# KiCad board CawDrive_panel.kicad_pcb (continued)
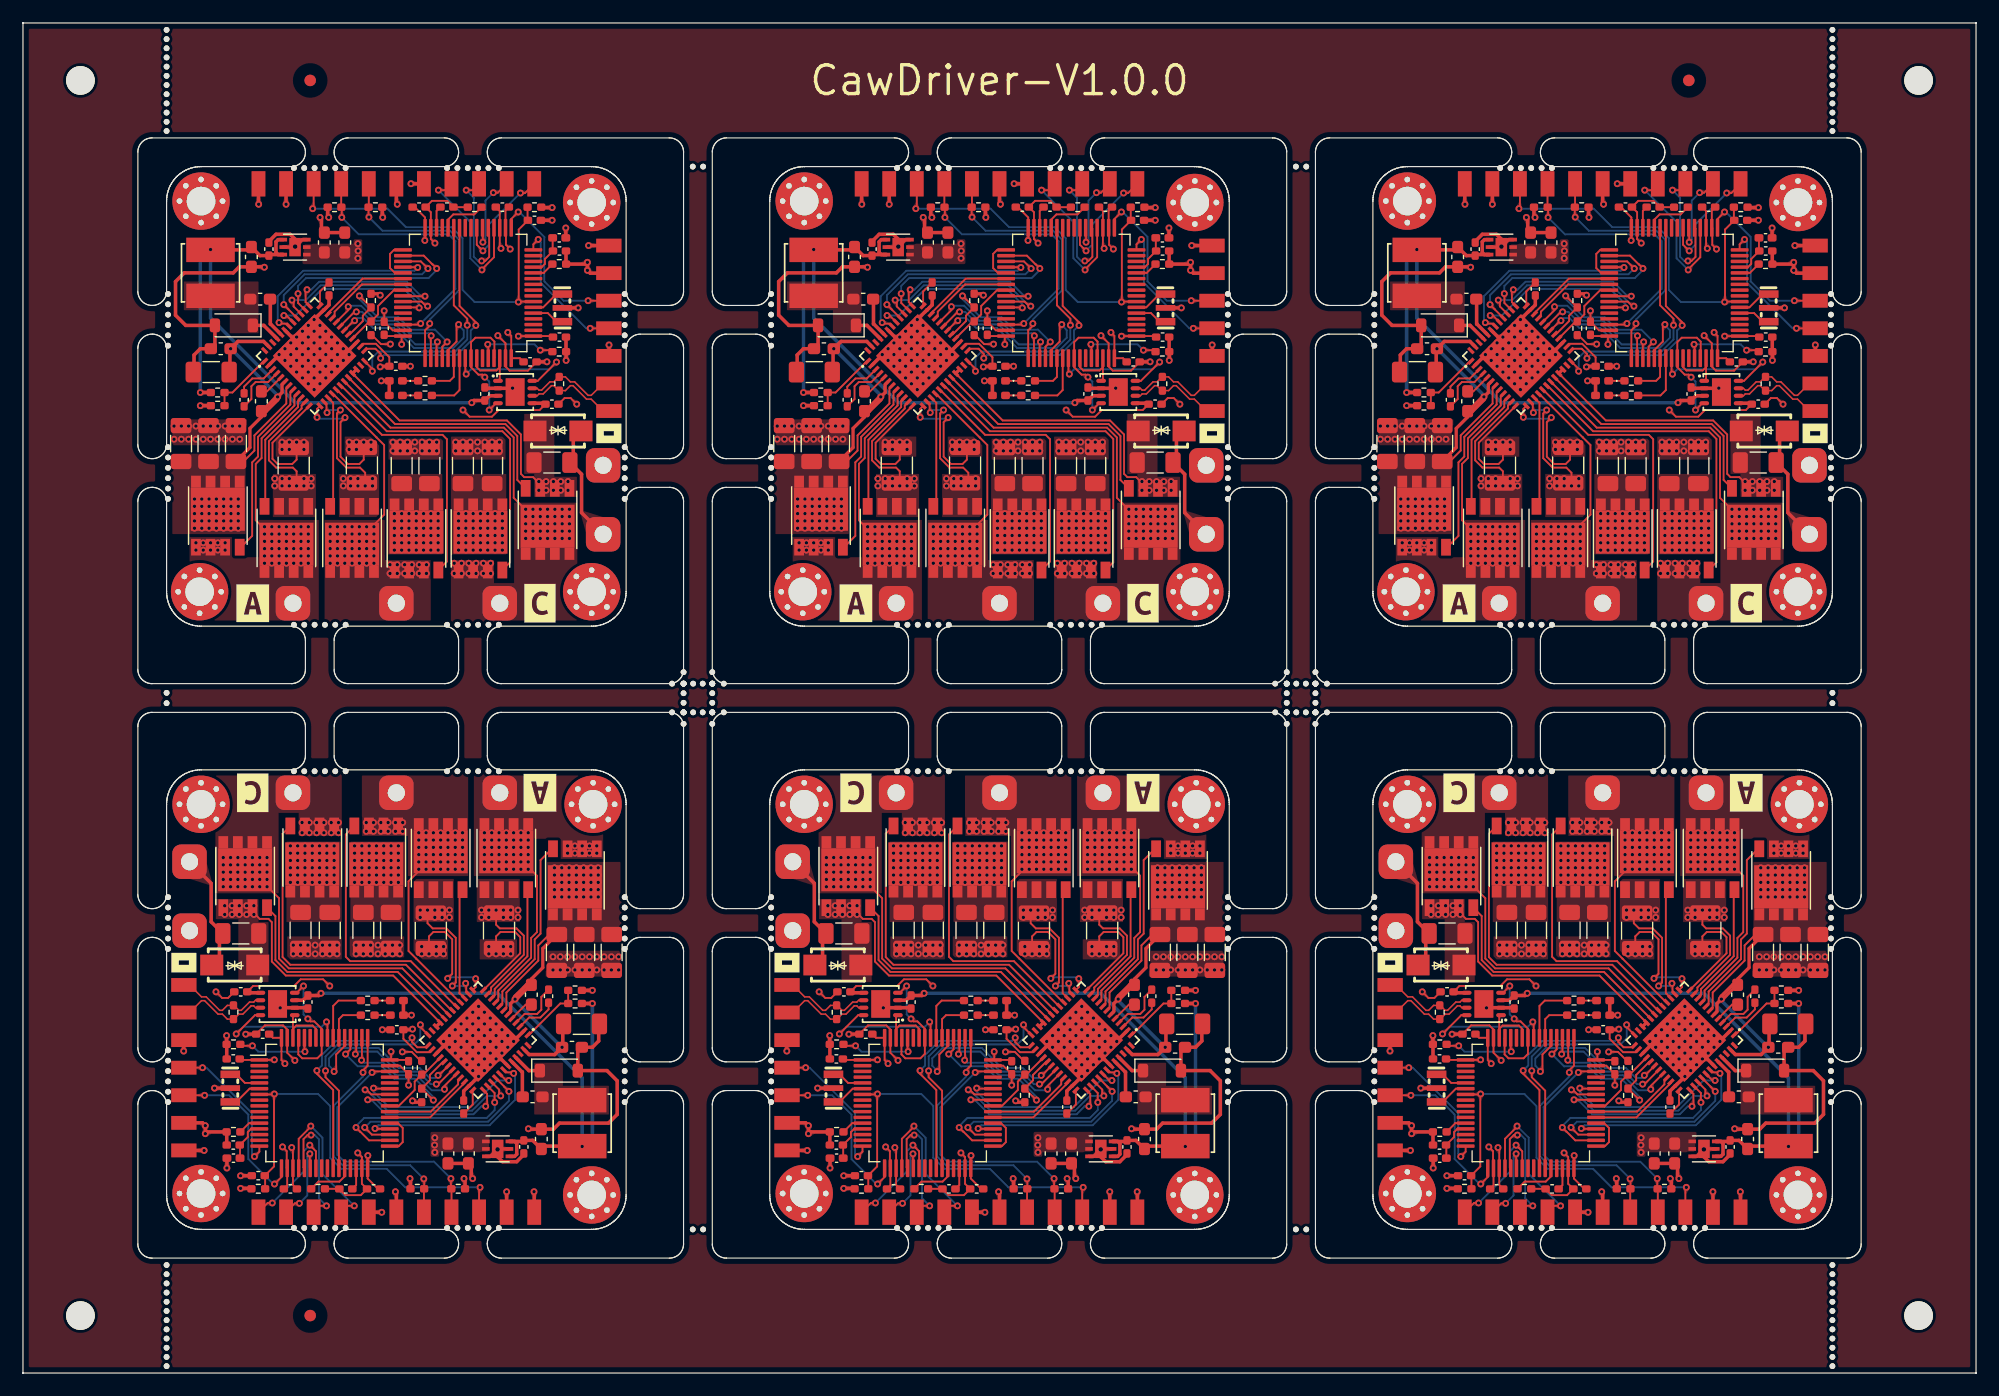
[diagram p0: board, top side]
## Placement (name value [footprint] x y rotation side) (continued)
J4#3  Conn_01x07_Pin  [SOIC-7]  51 90.93 270 top
J4#4  Conn_01x07_Pin  [SOIC-7]  66.5 26.57 90 top
J4#5  Conn_01x07_Pin  [SOIC-7]  156 90.93 270 top
J4#6  Conn_01x07_Pin  [SOIC-7]  119 26.57 90 top
kibuzzard-65071EE4  G***  [kibuzzard-65071EE4]  147.5 20.5 0 bottom
kibuzzard-65071EE4#2  G***  [kibuzzard-65071EE4]  42.5 20.5 0 bottom
kibuzzard-65071EE4#3  G***  [kibuzzard-65071EE4]  75 97 180 bottom
kibuzzard-65071EE4#4  G***  [kibuzzard-65071EE4]  22.5 97 180 bottom
kibuzzard-65071EE4#5  G***  [kibuzzard-65071EE4]  127.5 97 180 bottom
kibuzzard-65071EE4#6  G***  [kibuzzard-65071EE4]  95 20.5 0 bottom
kibuzzard-650712D1  G***  [kibuzzard-650712D1]  14.5 91.5 270 bottom
kibuzzard-650712D1#2  G***  [kibuzzard-650712D1]  119.5 91.5 270 bottom
kibuzzard-650712D1#3  G***  [kibuzzard-650712D1]  67 91.5 270 bottom
kibuzzard-650712D1#4  G***  [kibuzzard-650712D1]  103 26 90 bottom
kibuzzard-650712D1#5  G***  [kibuzzard-650712D1]  155.5 26 90 bottom
kibuzzard-650712D1#6  G***  [kibuzzard-650712D1]  50.5 26 90 bottom
kibuzzard-650713F8  G***  [kibuzzard-650713F8]  137.2 102 180 bottom
kibuzzard-650713F8#2  G***  [kibuzzard-650713F8]  85.3 15.5 0 bottom
kibuzzard-650713F8#3  G***  [kibuzzard-650713F8]  32.8 15.5 0 bottom
kibuzzard-650713F8#4  G***  [kibuzzard-650713F8]  137.8 15.5 0 bottom
kibuzzard-650713F8#5  G***  [kibuzzard-650713F8]  32.2 102 180 bottom
kibuzzard-650713F8#6  G***  [kibuzzard-650713F8]  84.7 102 180 bottom
kibuzzard-650722BD  G***  [kibuzzard-650722BD]  150 67 0 top
kibuzzard-650722BD#2  G***  [kibuzzard-650722BD]  97.5 67 0 top
kibuzzard-650722BD#3  G***  [kibuzzard-650722BD]  125 50.5 180 top
kibuzzard-650722BD#4  G***  [kibuzzard-650722BD]  72.5 50.5 180 top
kibuzzard-650722BD#5  G***  [kibuzzard-650722BD]  20 50.5 180 top
kibuzzard-650722BD#6  G***  [kibuzzard-650722BD]  45 67 0 top
kibuzzard-650722D4  G***  [kibuzzard-650722D4]  66.5 35.72 0 top
kibuzzard-650722D4#2  G***  [kibuzzard-650722D4]  103.5 81.78 180 top
kibuzzard-650722D4#3  G***  [kibuzzard-650722D4]  51 81.78 180 top
kibuzzard-650722D4#4  G***  [kibuzzard-650722D4]  119 35.72 0 top
kibuzzard-650722D4#5  G***  [kibuzzard-650722D4]  156 81.78 180 top
kibuzzard-650722D4#6  G***  [kibuzzard-650722D4]  14 35.72 0 top
kibuzzard-6507110A  G***  [kibuzzard-6507110A]  151.53 95.5 180 bottom
kibuzzard-6507110A#2  G***  [kibuzzard-6507110A]  99.03 95.5 180 bottom
kibuzzard-6507110A#3  G***  [kibuzzard-6507110A]  18.47 22 0 bottom
kibuzzard-6507110A#4  G***  [kibuzzard-6507110A]  123.47 22 0 bottom
kibuzzard-6507110A#5  G***  [kibuzzard-6507110A]  46.53 95.5 180 bottom
kibuzzard-6507110A#6  G***  [kibuzzard-6507110A]  70.97 22 0 bottom
kibuzzard-65071042  G***  [kibuzzard-65071042]  32.5 24 0 bottom
kibuzzard-65071042#2  G***  [kibuzzard-65071042]  137.5 24 0 bottom
kibuzzard-65071042#3  G***  [kibuzzard-65071042]  85 24 0 bottom
kibuzzard-65071042#4  G***  [kibuzzard-65071042]  85 93.5 180 bottom
kibuzzard-65071042#5  G***  [kibuzzard-65071042]  137.5 93.5 180 bottom
kibuzzard-65071042#6  G***  [kibuzzard-65071042]  32.5 93.5 180 bottom
kibuzzard-65072293  G***  [kibuzzard-65072293]  150 50.5 180 top
kibuzzard-65072293#2  G***  [kibuzzard-65072293]  72.5 67 0 top
kibuzzard-65072293#3  G***  [kibuzzard-65072293]  45 50.5 180 top
kibuzzard-65072293#4  G***  [kibuzzard-65072293]  125 67 0 top
kibuzzard-65072293#5  G***  [kibuzzard-65072293]  20 67 0 top
kibuzzard-65072293#6  G***  [kibuzzard-65072293]  97.5 50.5 180 top
KiKit_FID_B_1  -  [Fiducial]  25 112.5 0 bottom
KiKit_FID_B_2  -  [Fiducial]  145 112.5 0 bottom
KiKit_FID_B_3  -  [Fiducial]  25 5 0 bottom
KiKit_FID_T_1  -  [Fiducial]  25 112.5 0 top
KiKit_FID_T_2  -  [Fiducial]  145 112.5 0 top
KiKit_FID_T_3  -  [Fiducial]  25 5 0 top
KiKit_MB_1_1  -  [NPTH]  12.62 89.42 0 top
KiKit_MB_1_2  -  [NPTH]  12.62 90.32 0 top
KiKit_MB_1_3  -  [NPTH]  12.62 91.22 0 top
KiKit_MB_1_4  -  [NPTH]  12.62 92.12 0 top
KiKit_MB_1_5  -  [NPTH]  12.62 93.02 0 top
KiKit_MB_1_6  -  [NPTH]  12.62 93.92 0 top
KiKit_MB_2_1  -  [NPTH]  12.62 76.08 0 top
KiKit_MB_2_2  -  [NPTH]  12.62 76.98 0 top
KiKit_MB_2_3  -  [NPTH]  12.62 77.88 0 top
KiKit_MB_2_4  -  [NPTH]  12.62 78.78 0 top
KiKit_MB_2_5  -  [NPTH]  12.62 79.68 0 top
KiKit_MB_2_6  -  [NPTH]  12.62 80.58 0 top
KiKit_MB_3_1  -  [NPTH]  52.38 93.92 0 top
KiKit_MB_3_2  -  [NPTH]  52.38 93.02 0 top
KiKit_MB_3_3  -  [NPTH]  52.38 92.12 0 top
KiKit_MB_3_4  -  [NPTH]  52.38 91.22 0 top
KiKit_MB_3_5  -  [NPTH]  52.38 90.32 0 top
KiKit_MB_3_6  -  [NPTH]  52.38 89.42 0 top
KiKit_MB_4_1  -  [NPTH]  52.38 80.58 0 top
KiKit_MB_4_2  -  [NPTH]  52.38 79.68 0 top
KiKit_MB_4_3  -  [NPTH]  52.38 78.78 0 top
KiKit_MB_4_4  -  [NPTH]  52.38 77.88 0 top
KiKit_MB_4_5  -  [NPTH]  52.38 76.98 0 top
KiKit_MB_4_6  -  [NPTH]  52.38 76.08 0 top
KiKit_MB_5_1  -  [NPTH]  23.58 104.88 0 top
KiKit_MB_5_2  -  [NPTH]  24.48 104.88 0 top
KiKit_MB_5_3  -  [NPTH]  25.38 104.88 0 top
KiKit_MB_5_4  -  [NPTH]  26.28 104.88 0 top
KiKit_MB_5_5  -  [NPTH]  27.18 104.88 0 top
KiKit_MB_5_6  -  [NPTH]  28.08 104.88 0 top
KiKit_MB_6_1  -  [NPTH]  36.92 104.88 0 top
KiKit_MB_6_2  -  [NPTH]  37.82 104.88 0 top
KiKit_MB_6_3  -  [NPTH]  38.72 104.88 0 top
KiKit_MB_6_4  -  [NPTH]  39.62 104.88 0 top
KiKit_MB_6_5  -  [NPTH]  40.52 104.88 0 top
KiKit_MB_6_6  -  [NPTH]  41.42 104.88 0 top
KiKit_MB_7_1  -  [NPTH]  28.08 65.12 0 top
KiKit_MB_7_2  -  [NPTH]  27.18 65.12 0 top
KiKit_MB_7_3  -  [NPTH]  26.28 65.12 0 top
KiKit_MB_7_4  -  [NPTH]  25.38 65.12 0 top
KiKit_MB_7_5  -  [NPTH]  24.48 65.12 0 top
KiKit_MB_7_6  -  [NPTH]  23.58 65.12 0 top
KiKit_MB_8_1  -  [NPTH]  41.42 65.12 0 top
KiKit_MB_8_2  -  [NPTH]  40.52 65.12 0 top
KiKit_MB_8_3  -  [NPTH]  39.62 65.12 0 top
KiKit_MB_8_4  -  [NPTH]  38.72 65.12 0 top
KiKit_MB_8_5  -  [NPTH]  37.82 65.12 0 top
KiKit_MB_8_6  -  [NPTH]  36.92 65.12 0 top
KiKit_MB_9_1  -  [NPTH]  65.12 89.42 0 top
KiKit_MB_9_2  -  [NPTH]  65.12 90.32 0 top
KiKit_MB_9_3  -  [NPTH]  65.12 91.22 0 top
KiKit_MB_9_4  -  [NPTH]  65.12 92.12 0 top
KiKit_MB_9_5  -  [NPTH]  65.12 93.02 0 top
KiKit_MB_9_6  -  [NPTH]  65.12 93.92 0 top
KiKit_MB_10_1  -  [NPTH]  65.12 76.08 0 top
KiKit_MB_10_2  -  [NPTH]  65.12 76.98 0 top
KiKit_MB_10_3  -  [NPTH]  65.12 77.88 0 top
KiKit_MB_10_4  -  [NPTH]  65.12 78.78 0 top
KiKit_MB_10_5  -  [NPTH]  65.12 79.68 0 top
KiKit_MB_10_6  -  [NPTH]  65.12 80.58 0 top
KiKit_MB_11_1  -  [NPTH]  104.88 93.92 0 top
KiKit_MB_11_2  -  [NPTH]  104.88 93.02 0 top
KiKit_MB_11_3  -  [NPTH]  104.88 92.12 0 top
KiKit_MB_11_4  -  [NPTH]  104.88 91.22 0 top
KiKit_MB_11_5  -  [NPTH]  104.88 90.32 0 top
KiKit_MB_11_6  -  [NPTH]  104.88 89.42 0 top
KiKit_MB_12_1  -  [NPTH]  104.88 80.58 0 top
KiKit_MB_12_2  -  [NPTH]  104.88 79.68 0 top
KiKit_MB_12_3  -  [NPTH]  104.88 78.78 0 top
KiKit_MB_12_4  -  [NPTH]  104.88 77.88 0 top
KiKit_MB_12_5  -  [NPTH]  104.88 76.98 0 top
KiKit_MB_12_6  -  [NPTH]  104.88 76.08 0 top
KiKit_MB_13_1  -  [NPTH]  76.08 104.88 0 top
KiKit_MB_13_2  -  [NPTH]  76.98 104.88 0 top
KiKit_MB_13_3  -  [NPTH]  77.88 104.88 0 top
KiKit_MB_13_4  -  [NPTH]  78.78 104.88 0 top
KiKit_MB_13_5  -  [NPTH]  79.68 104.88 0 top
KiKit_MB_13_6  -  [NPTH]  80.58 104.88 0 top
KiKit_MB_14_1  -  [NPTH]  89.42 104.88 0 top
KiKit_MB_14_2  -  [NPTH]  90.32 104.88 0 top
KiKit_MB_14_3  -  [NPTH]  91.22 104.88 0 top
KiKit_MB_14_4  -  [NPTH]  92.12 104.88 0 top
KiKit_MB_14_5  -  [NPTH]  93.02 104.88 0 top
KiKit_MB_14_6  -  [NPTH]  93.92 104.88 0 top
KiKit_MB_15_1  -  [NPTH]  80.58 65.12 0 top
KiKit_MB_15_2  -  [NPTH]  79.68 65.12 0 top
KiKit_MB_15_3  -  [NPTH]  78.78 65.12 0 top
KiKit_MB_15_4  -  [NPTH]  77.88 65.12 0 top
KiKit_MB_15_5  -  [NPTH]  76.98 65.12 0 top
KiKit_MB_15_6  -  [NPTH]  76.08 65.12 0 top
KiKit_MB_16_1  -  [NPTH]  93.92 65.12 0 top
KiKit_MB_16_2  -  [NPTH]  93.02 65.12 0 top
KiKit_MB_16_3  -  [NPTH]  92.12 65.12 0 top
KiKit_MB_16_4  -  [NPTH]  91.22 65.12 0 top
KiKit_MB_16_5  -  [NPTH]  90.32 65.12 0 top
KiKit_MB_16_6  -  [NPTH]  89.42 65.12 0 top
KiKit_MB_17_1  -  [NPTH]  117.62 89.42 0 top
KiKit_MB_17_2  -  [NPTH]  117.62 90.32 0 top
KiKit_MB_17_3  -  [NPTH]  117.62 91.22 0 top
KiKit_MB_17_4  -  [NPTH]  117.62 92.12 0 top
KiKit_MB_17_5  -  [NPTH]  117.62 93.02 0 top
KiKit_MB_17_6  -  [NPTH]  117.62 93.92 0 top
KiKit_MB_18_1  -  [NPTH]  117.62 76.08 0 top
KiKit_MB_18_2  -  [NPTH]  117.62 76.98 0 top
KiKit_MB_18_3  -  [NPTH]  117.62 77.88 0 top
KiKit_MB_18_4  -  [NPTH]  117.62 78.78 0 top
KiKit_MB_18_5  -  [NPTH]  117.62 79.68 0 top
KiKit_MB_18_6  -  [NPTH]  117.62 80.58 0 top
KiKit_MB_19_1  -  [NPTH]  157.38 93.92 0 top
KiKit_MB_19_2  -  [NPTH]  157.38 93.02 0 top
KiKit_MB_19_3  -  [NPTH]  157.38 92.12 0 top
KiKit_MB_19_4  -  [NPTH]  157.38 91.22 0 top
KiKit_MB_19_5  -  [NPTH]  157.38 90.32 0 top
KiKit_MB_19_6  -  [NPTH]  157.38 89.42 0 top
KiKit_MB_20_1  -  [NPTH]  157.38 80.58 0 top
KiKit_MB_20_2  -  [NPTH]  157.38 79.68 0 top
KiKit_MB_20_3  -  [NPTH]  157.38 78.78 0 top
KiKit_MB_20_4  -  [NPTH]  157.38 77.88 0 top
KiKit_MB_20_5  -  [NPTH]  157.38 76.98 0 top
KiKit_MB_20_6  -  [NPTH]  157.38 76.08 0 top
KiKit_MB_21_1  -  [NPTH]  128.58 104.88 0 top
KiKit_MB_21_2  -  [NPTH]  129.48 104.88 0 top
KiKit_MB_21_3  -  [NPTH]  130.38 104.88 0 top
KiKit_MB_21_4  -  [NPTH]  131.28 104.88 0 top
KiKit_MB_21_5  -  [NPTH]  132.18 104.88 0 top
KiKit_MB_21_6  -  [NPTH]  133.08 104.88 0 top
KiKit_MB_22_1  -  [NPTH]  141.92 104.88 0 top
KiKit_MB_22_2  -  [NPTH]  142.82 104.88 0 top
KiKit_MB_22_3  -  [NPTH]  143.72 104.88 0 top
KiKit_MB_22_4  -  [NPTH]  144.62 104.88 0 top
KiKit_MB_22_5  -  [NPTH]  145.52 104.88 0 top
KiKit_MB_22_6  -  [NPTH]  146.42 104.88 0 top
KiKit_MB_23_1  -  [NPTH]  133.08 65.12 0 top
KiKit_MB_23_2  -  [NPTH]  132.18 65.12 0 top
KiKit_MB_23_3  -  [NPTH]  131.28 65.12 0 top
KiKit_MB_23_4  -  [NPTH]  130.38 65.12 0 top
KiKit_MB_23_5  -  [NPTH]  129.48 65.12 0 top
KiKit_MB_23_6  -  [NPTH]  128.58 65.12 0 top
KiKit_MB_24_1  -  [NPTH]  146.42 65.12 0 top
KiKit_MB_24_2  -  [NPTH]  145.52 65.12 0 top
KiKit_MB_24_3  -  [NPTH]  144.62 65.12 0 top
KiKit_MB_24_4  -  [NPTH]  143.72 65.12 0 top
KiKit_MB_24_5  -  [NPTH]  142.82 65.12 0 top
KiKit_MB_24_6  -  [NPTH]  141.92 65.12 0 top
KiKit_MB_25_1  -  [NPTH]  12.62 36.92 0 top
KiKit_MB_25_2  -  [NPTH]  12.62 37.82 0 top
KiKit_MB_25_3  -  [NPTH]  12.62 38.72 0 top
KiKit_MB_25_4  -  [NPTH]  12.62 39.62 0 top
KiKit_MB_25_5  -  [NPTH]  12.62 40.52 0 top
KiKit_MB_25_6  -  [NPTH]  12.62 41.42 0 top
KiKit_MB_26_1  -  [NPTH]  12.62 23.58 0 top
KiKit_MB_26_2  -  [NPTH]  12.62 24.48 0 top
KiKit_MB_26_3  -  [NPTH]  12.62 25.38 0 top
KiKit_MB_26_4  -  [NPTH]  12.62 26.28 0 top
KiKit_MB_26_5  -  [NPTH]  12.62 27.18 0 top
KiKit_MB_26_6  -  [NPTH]  12.62 28.08 0 top
KiKit_MB_27_1  -  [NPTH]  52.38 41.42 0 top
KiKit_MB_27_2  -  [NPTH]  52.38 40.52 0 top
KiKit_MB_27_3  -  [NPTH]  52.38 39.62 0 top
KiKit_MB_27_4  -  [NPTH]  52.38 38.72 0 top
KiKit_MB_27_5  -  [NPTH]  52.38 37.82 0 top
KiKit_MB_27_6  -  [NPTH]  52.38 36.92 0 top
KiKit_MB_28_1  -  [NPTH]  52.38 28.08 0 top
KiKit_MB_28_2  -  [NPTH]  52.38 27.18 0 top
KiKit_MB_28_3  -  [NPTH]  52.38 26.28 0 top
KiKit_MB_28_4  -  [NPTH]  52.38 25.38 0 top
KiKit_MB_28_5  -  [NPTH]  52.38 24.48 0 top
KiKit_MB_28_6  -  [NPTH]  52.38 23.58 0 top
KiKit_MB_29_1  -  [NPTH]  23.58 52.38 0 top
KiKit_MB_29_2  -  [NPTH]  24.48 52.38 0 top
KiKit_MB_29_3  -  [NPTH]  25.38 52.38 0 top
KiKit_MB_29_4  -  [NPTH]  26.28 52.38 0 top
KiKit_MB_29_5  -  [NPTH]  27.18 52.38 0 top
KiKit_MB_29_6  -  [NPTH]  28.08 52.38 0 top
KiKit_MB_30_1  -  [NPTH]  36.92 52.38 0 top
KiKit_MB_30_2  -  [NPTH]  37.82 52.38 0 top
KiKit_MB_30_3  -  [NPTH]  38.72 52.38 0 top
KiKit_MB_30_4  -  [NPTH]  39.62 52.38 0 top
KiKit_MB_30_5  -  [NPTH]  40.52 52.38 0 top
KiKit_MB_30_6  -  [NPTH]  41.42 52.38 0 top
KiKit_MB_31_1  -  [NPTH]  28.08 12.62 0 top
KiKit_MB_31_2  -  [NPTH]  27.18 12.62 0 top
KiKit_MB_31_3  -  [NPTH]  26.28 12.62 0 top
KiKit_MB_31_4  -  [NPTH]  25.38 12.62 0 top
KiKit_MB_31_5  -  [NPTH]  24.48 12.62 0 top
KiKit_MB_31_6  -  [NPTH]  23.58 12.62 0 top
KiKit_MB_32_1  -  [NPTH]  41.42 12.62 0 top
KiKit_MB_32_2  -  [NPTH]  40.52 12.62 0 top
KiKit_MB_32_3  -  [NPTH]  39.62 12.62 0 top
KiKit_MB_32_4  -  [NPTH]  38.72 12.62 0 top
KiKit_MB_32_5  -  [NPTH]  37.82 12.62 0 top
KiKit_MB_32_6  -  [NPTH]  36.92 12.62 0 top
KiKit_MB_33_1  -  [NPTH]  65.12 36.92 0 top
KiKit_MB_33_2  -  [NPTH]  65.12 37.82 0 top
KiKit_MB_33_3  -  [NPTH]  65.12 38.72 0 top
KiKit_MB_33_4  -  [NPTH]  65.12 39.62 0 top
KiKit_MB_33_5  -  [NPTH]  65.12 40.52 0 top
KiKit_MB_33_6  -  [NPTH]  65.12 41.42 0 top
KiKit_MB_34_1  -  [NPTH]  65.12 23.58 0 top
KiKit_MB_34_2  -  [NPTH]  65.12 24.48 0 top
KiKit_MB_34_3  -  [NPTH]  65.12 25.38 0 top
KiKit_MB_34_4  -  [NPTH]  65.12 26.28 0 top
KiKit_MB_34_5  -  [NPTH]  65.12 27.18 0 top
KiKit_MB_34_6  -  [NPTH]  65.12 28.08 0 top
KiKit_MB_35_1  -  [NPTH]  104.88 41.42 0 top
KiKit_MB_35_2  -  [NPTH]  104.88 40.52 0 top
KiKit_MB_35_3  -  [NPTH]  104.88 39.62 0 top
KiKit_MB_35_4  -  [NPTH]  104.88 38.72 0 top
KiKit_MB_35_5  -  [NPTH]  104.88 37.82 0 top
KiKit_MB_35_6  -  [NPTH]  104.88 36.92 0 top
KiKit_MB_36_1  -  [NPTH]  104.88 28.08 0 top
KiKit_MB_36_2  -  [NPTH]  104.88 27.18 0 top
KiKit_MB_36_3  -  [NPTH]  104.88 26.28 0 top
KiKit_MB_36_4  -  [NPTH]  104.88 25.38 0 top
KiKit_MB_36_5  -  [NPTH]  104.88 24.48 0 top
KiKit_MB_36_6  -  [NPTH]  104.88 23.58 0 top
KiKit_MB_37_1  -  [NPTH]  76.08 52.38 0 top
KiKit_MB_37_2  -  [NPTH]  76.98 52.38 0 top
KiKit_MB_37_3  -  [NPTH]  77.88 52.38 0 top
KiKit_MB_37_4  -  [NPTH]  78.78 52.38 0 top
KiKit_MB_37_5  -  [NPTH]  79.68 52.38 0 top
KiKit_MB_37_6  -  [NPTH]  80.58 52.38 0 top
KiKit_MB_38_1  -  [NPTH]  89.42 52.38 0 top
KiKit_MB_38_2  -  [NPTH]  90.32 52.38 0 top
KiKit_MB_38_3  -  [NPTH]  91.22 52.38 0 top
KiKit_MB_38_4  -  [NPTH]  92.12 52.38 0 top
KiKit_MB_38_5  -  [NPTH]  93.02 52.38 0 top
KiKit_MB_38_6  -  [NPTH]  93.92 52.38 0 top
KiKit_MB_39_1  -  [NPTH]  80.58 12.62 0 top
KiKit_MB_39_2  -  [NPTH]  79.68 12.62 0 top
KiKit_MB_39_3  -  [NPTH]  78.78 12.62 0 top
KiKit_MB_39_4  -  [NPTH]  77.88 12.62 0 top
KiKit_MB_39_5  -  [NPTH]  76.98 12.62 0 top
KiKit_MB_39_6  -  [NPTH]  76.08 12.62 0 top
KiKit_MB_40_1  -  [NPTH]  93.92 12.62 0 top
KiKit_MB_40_2  -  [NPTH]  93.02 12.62 0 top
KiKit_MB_40_3  -  [NPTH]  92.12 12.62 0 top
KiKit_MB_40_4  -  [NPTH]  91.22 12.62 0 top
KiKit_MB_40_5  -  [NPTH]  90.32 12.62 0 top
KiKit_MB_40_6  -  [NPTH]  89.42 12.62 0 top
KiKit_MB_41_1  -  [NPTH]  117.62 36.92 0 top
KiKit_MB_41_2  -  [NPTH]  117.62 37.82 0 top
KiKit_MB_41_3  -  [NPTH]  117.62 38.72 0 top
KiKit_MB_41_4  -  [NPTH]  117.62 39.62 0 top
KiKit_MB_41_5  -  [NPTH]  117.62 40.52 0 top
KiKit_MB_41_6  -  [NPTH]  117.62 41.42 0 top
KiKit_MB_42_1  -  [NPTH]  117.62 23.58 0 top
KiKit_MB_42_2  -  [NPTH]  117.62 24.48 0 top
KiKit_MB_42_3  -  [NPTH]  117.62 25.38 0 top
KiKit_MB_42_4  -  [NPTH]  117.62 26.28 0 top
KiKit_MB_42_5  -  [NPTH]  117.62 27.18 0 top
KiKit_MB_42_6  -  [NPTH]  117.62 28.08 0 top
KiKit_MB_43_1  -  [NPTH]  157.38 41.42 0 top
KiKit_MB_43_2  -  [NPTH]  157.38 40.52 0 top
KiKit_MB_43_3  -  [NPTH]  157.38 39.62 0 top
KiKit_MB_43_4  -  [NPTH]  157.38 38.72 0 top
KiKit_MB_43_5  -  [NPTH]  157.38 37.82 0 top
KiKit_MB_43_6  -  [NPTH]  157.38 36.92 0 top
KiKit_MB_44_1  -  [NPTH]  157.38 28.08 0 top
KiKit_MB_44_2  -  [NPTH]  157.38 27.18 0 top
KiKit_MB_44_3  -  [NPTH]  157.38 26.28 0 top
KiKit_MB_44_4  -  [NPTH]  157.38 25.38 0 top
KiKit_MB_44_5  -  [NPTH]  157.38 24.48 0 top
KiKit_MB_44_6  -  [NPTH]  157.38 23.58 0 top
KiKit_MB_45_1  -  [NPTH]  128.58 52.38 0 top
KiKit_MB_45_2  -  [NPTH]  129.48 52.38 0 top
KiKit_MB_45_3  -  [NPTH]  130.38 52.38 0 top
KiKit_MB_45_4  -  [NPTH]  131.28 52.38 0 top
KiKit_MB_45_5  -  [NPTH]  132.18 52.38 0 top
KiKit_MB_45_6  -  [NPTH]  133.08 52.38 0 top
KiKit_MB_46_1  -  [NPTH]  141.92 52.38 0 top
KiKit_MB_46_2  -  [NPTH]  142.82 52.38 0 top
KiKit_MB_46_3  -  [NPTH]  143.72 52.38 0 top
KiKit_MB_46_4  -  [NPTH]  144.62 52.38 0 top
KiKit_MB_46_5  -  [NPTH]  145.52 52.38 0 top
KiKit_MB_46_6  -  [NPTH]  146.42 52.38 0 top
KiKit_MB_47_1  -  [NPTH]  133.08 12.62 0 top
KiKit_MB_47_2  -  [NPTH]  132.18 12.62 0 top
KiKit_MB_47_3  -  [NPTH]  131.28 12.62 0 top
KiKit_MB_47_4  -  [NPTH]  130.38 12.62 0 top
KiKit_MB_47_5  -  [NPTH]  129.48 12.62 0 top
KiKit_MB_47_6  -  [NPTH]  128.58 12.62 0 top
KiKit_MB_48_1  -  [NPTH]  146.42 12.62 0 top
KiKit_MB_48_2  -  [NPTH]  145.52 12.62 0 top
KiKit_MB_48_3  -  [NPTH]  144.62 12.62 0 top
KiKit_MB_48_4  -  [NPTH]  143.72 12.62 0 top
KiKit_MB_48_5  -  [NPTH]  142.82 12.62 0 top
KiKit_MB_48_6  -  [NPTH]  141.92 12.62 0 top
KiKit_MB_49_1  -  [NPTH]  112.5 56.5 0 top
KiKit_MB_49_2  -  [NPTH]  112.5 57.5 0 top
KiKit_MB_50_1  -  [NPTH]  112.5 57.5 0 top
KiKit_MB_50_2  -  [NPTH]  112.5 58.33 0 top
KiKit_MB_50_3  -  [NPTH]  112.5 59.17 0 top
KiKit_MB_50_4  -  [NPTH]  112.5 60 0 top
KiKit_MB_51_1  -  [NPTH]  112.5 60 0 top
KiKit_MB_51_2  -  [NPTH]  112.5 61 0 top
KiKit_MB_52_3  -  [NPTH]  157.5 59.2 0 top
KiKit_MB_52_4  -  [NPTH]  157.5 58.3 0 top
KiKit_MB_53_1  -  [NPTH]  60 56.5 0 top
KiKit_MB_53_2  -  [NPTH]  60 57.5 0 top
KiKit_MB_54_1  -  [NPTH]  60 57.5 0 top
KiKit_MB_54_2  -  [NPTH]  60 58.33 0 top
KiKit_MB_54_3  -  [NPTH]  60 59.17 0 top
KiKit_MB_54_4  -  [NPTH]  60 60 0 top
KiKit_MB_55_1  -  [NPTH]  60 60 0 top
KiKit_MB_55_2  -  [NPTH]  60 61 0 top
KiKit_MB_56_1  -  [NPTH]  110 61 0 top
KiKit_MB_56_2  -  [NPTH]  110 60 0 top
KiKit_MB_57_1  -  [NPTH]  110 60 0 top
KiKit_MB_57_2  -  [NPTH]  110 59.17 0 top
KiKit_MB_57_3  -  [NPTH]  110 58.33 0 top
KiKit_MB_57_4  -  [NPTH]  110 57.5 0 top
KiKit_MB_58_1  -  [NPTH]  110 57.5 0 top
KiKit_MB_58_2  -  [NPTH]  110 56.5 0 top
KiKit_MB_59_3  -  [NPTH]  12.5 59.2 0 top
KiKit_MB_59_4  -  [NPTH]  12.5 58.3 0 top
KiKit_MB_60_1  -  [NPTH]  57.5 61 0 top
KiKit_MB_60_2  -  [NPTH]  57.5 60 0 top
KiKit_MB_61_1  -  [NPTH]  57.5 60 0 top
KiKit_MB_61_2  -  [NPTH]  57.5 59.17 0 top
KiKit_MB_61_3  -  [NPTH]  57.5 58.33 0 top
KiKit_MB_61_4  -  [NPTH]  57.5 57.5 0 top
KiKit_MB_62_1  -  [NPTH]  57.5 57.5 0 top
KiKit_MB_62_2  -  [NPTH]  57.5 56.5 0 top
KiKit_MB_63_1  -  [NPTH]  56.5 57.5 0 top
KiKit_MB_63_2  -  [NPTH]  57.5 57.5 0 top
KiKit_MB_64_1  -  [NPTH]  57.5 57.5 0 top
KiKit_MB_64_2  -  [NPTH]  58.33 57.5 0 top
KiKit_MB_64_3  -  [NPTH]  59.17 57.5 0 top
KiKit_MB_64_4  -  [NPTH]  60 57.5 0 top
KiKit_MB_65_1  -  [NPTH]  60 57.5 0 top
KiKit_MB_65_2  -  [NPTH]  61 57.5 0 top
KiKit_MB_66_3  -  [NPTH]  59.2 12.5 0 top
KiKit_MB_66_4  -  [NPTH]  58.3 12.5 0 top
KiKit_MB_67_1  -  [NPTH]  109 57.5 0 top
KiKit_MB_67_2  -  [NPTH]  110 57.5 0 top
KiKit_MB_68_1  -  [NPTH]  110 57.5 0 top
KiKit_MB_68_2  -  [NPTH]  110.83 57.5 0 top
KiKit_MB_68_3  -  [NPTH]  111.67 57.5 0 top
KiKit_MB_68_4  -  [NPTH]  112.5 57.5 0 top
KiKit_MB_69_1  -  [NPTH]  112.5 57.5 0 top
KiKit_MB_69_2  -  [NPTH]  113.5 57.5 0 top
KiKit_MB_70_3  -  [NPTH]  111.7 12.5 0 top
KiKit_MB_70_4  -  [NPTH]  110.8 12.5 0 top
KiKit_MB_71_3  -  [NPTH]  59.2 105 0 top
KiKit_MB_71_4  -  [NPTH]  58.3 105 0 top
KiKit_MB_72_1  -  [NPTH]  61 60 0 top
KiKit_MB_72_2  -  [NPTH]  60 60 0 top
KiKit_MB_73_1  -  [NPTH]  60 60 0 top
KiKit_MB_73_2  -  [NPTH]  59.17 60 0 top
KiKit_MB_73_3  -  [NPTH]  58.33 60 0 top
KiKit_MB_73_4  -  [NPTH]  57.5 60 0 top
KiKit_MB_74_1  -  [NPTH]  57.5 60 0 top
KiKit_MB_74_2  -  [NPTH]  56.5 60 0 top
KiKit_MB_75_3  -  [NPTH]  111.7 105 0 top
KiKit_MB_75_4  -  [NPTH]  110.8 105 0 top
KiKit_MB_76_1  -  [NPTH]  113.5 60 0 top
KiKit_MB_76_2  -  [NPTH]  112.5 60 0 top
KiKit_MB_77_1  -  [NPTH]  112.5 60 0 top
KiKit_MB_77_2  -  [NPTH]  111.67 60 0 top
KiKit_MB_77_3  -  [NPTH]  110.83 60 0 top
KiKit_MB_77_4  -  [NPTH]  110 60 0 top
KiKit_MB_78_1  -  [NPTH]  110 60 0 top
KiKit_MB_78_2  -  [NPTH]  109 60 0 top
KiKit_MB_79_3  -  [NPTH]  12.5 116.9 0 top
KiKit_MB_79_4  -  [NPTH]  12.5 116.1 0 top
KiKit_MB_79_5  -  [NPTH]  12.5 115.3 0 top
KiKit_MB_79_6  -  [NPTH]  12.5 114.5 0 top
KiKit_MB_79_7  -  [NPTH]  12.5 113.7 0 top
KiKit_MB_79_8  -  [NPTH]  12.5 112.9 0 top
KiKit_MB_79_9  -  [NPTH]  12.5 112.1 0 top
KiKit_MB_79_10  -  [NPTH]  12.5 111.3 0 top
KiKit_MB_79_11  -  [NPTH]  12.5 110.5 0 top
KiKit_MB_79_12  -  [NPTH]  12.5 109.7 0 top
KiKit_MB_79_13  -  [NPTH]  12.5 108.9 0 top
KiKit_MB_79_14  -  [NPTH]  12.5 108.1 0 top
KiKit_MB_80_3  -  [NPTH]  157.5 116.9 0 top
KiKit_MB_80_4  -  [NPTH]  157.5 116.1 0 top
KiKit_MB_80_5  -  [NPTH]  157.5 115.3 0 top
KiKit_MB_80_6  -  [NPTH]  157.5 114.5 0 top
KiKit_MB_80_7  -  [NPTH]  157.5 113.7 0 top
KiKit_MB_80_8  -  [NPTH]  157.5 112.9 0 top
KiKit_MB_80_9  -  [NPTH]  157.5 112.1 0 top
KiKit_MB_80_10  -  [NPTH]  157.5 111.3 0 top
KiKit_MB_80_11  -  [NPTH]  157.5 110.5 0 top
KiKit_MB_80_12  -  [NPTH]  157.5 109.7 0 top
KiKit_MB_80_13  -  [NPTH]  157.5 108.9 0 top
KiKit_MB_80_14  -  [NPTH]  157.5 108.1 0 top
KiKit_MB_81_3  -  [NPTH]  12.5 9.4 0 top
KiKit_MB_81_4  -  [NPTH]  12.5 8.6 0 top
KiKit_MB_81_5  -  [NPTH]  12.5 7.8 0 top
KiKit_MB_81_6  -  [NPTH]  12.5 7 0 top
KiKit_MB_81_7  -  [NPTH]  12.5 6.2 0 top
KiKit_MB_81_8  -  [NPTH]  12.5 5.4 0 top
KiKit_MB_81_9  -  [NPTH]  12.5 4.6 0 top
KiKit_MB_81_10  -  [NPTH]  12.5 3.8 0 top
KiKit_MB_81_11  -  [NPTH]  12.5 3 0 top
KiKit_MB_81_12  -  [NPTH]  12.5 2.2 0 top
KiKit_MB_81_13  -  [NPTH]  12.5 1.4 0 top
KiKit_MB_81_14  -  [NPTH]  12.5 0.6 0 top
KiKit_MB_82_3  -  [NPTH]  157.5 9.4 0 top
KiKit_MB_82_4  -  [NPTH]  157.5 8.6 0 top
KiKit_MB_82_5  -  [NPTH]  157.5 7.8 0 top
KiKit_MB_82_6  -  [NPTH]  157.5 7 0 top
KiKit_MB_82_7  -  [NPTH]  157.5 6.2 0 top
KiKit_MB_82_8  -  [NPTH]  157.5 5.4 0 top
KiKit_MB_82_9  -  [NPTH]  157.5 4.6 0 top
KiKit_MB_82_10  -  [NPTH]  157.5 3.8 0 top
KiKit_MB_82_11  -  [NPTH]  157.5 3 0 top
KiKit_MB_82_12  -  [NPTH]  157.5 2.2 0 top
KiKit_MB_82_13  -  [NPTH]  157.5 1.4 0 top
KiKit_MB_82_14  -  [NPTH]  157.5 0.6 0 top
KiKit_TO_1  -  [NPTH#2]  5 112.5 0 top
KiKit_TO_2  -  [NPTH#2]  165 112.5 0 top
KiKit_TO_3  -  [NPTH#2]  5 5 0 top
KiKit_TO_4  -  [NPTH#2]  165 5 0 top
L1  39nH  [L_0402_1005Metric_Pad0.77x0.64mm_HandSolder]  99.18 98.8 180 top
L1#2  39nH  [L_0402_1005Metric_Pad0.77x0.64mm_HandSolder]  123.32 18.7 0 top
L1#3  39nH  [L_0402_1005Metric_Pad0.77x0.64mm_HandSolder]  46.68 98.8 180 top
L1#4  39nH  [L_0402_1005Metric_Pad0.77x0.64mm_HandSolder]  70.82 18.7 0 top
L1#5  39nH  [L_0402_1005Metric_Pad0.77x0.64mm_HandSolder]  151.68 98.8 180 top
L1#6  39nH  [L_0402_1005Metric_Pad0.77x0.64mm_HandSolder]  18.32 18.7 0 top
L2  22uH_±20%_1.4A  [LQH5BPB220MT0L_IND-SMD_L5.0-W5.0]  121.32 95.75 270 top
L2#2  22uH_±20%_1.4A  [LQH5BPB220MT0L_IND-SMD_L5.0-W5.0]  68.82 95.75 270 top
L2#3  22uH_±20%_1.4A  [LQH5BPB220MT0L_IND-SMD_L5.0-W5.0]  48.67 21.75 90 top
L2#4  22uH_±20%_1.4A  [LQH5BPB220MT0L_IND-SMD_L5.0-W5.0]  153.68 21.75 90 top
L2#5  22uH_±20%_1.4A  [LQH5BPB220MT0L_IND-SMD_L5.0-W5.0]  101.18 21.75 90 top
L2#6  22uH_±20%_1.4A  [LQH5BPB220MT0L_IND-SMD_L5.0-W5.0]  16.33 95.75 270 top
Q7  TPH3R704PL  [TPHR8504PL,L1Q]  69.46 74.63 90 top
Q7#2  TPH3R704PL  [TPHR8504PL,L1Q]  153.04 42.87 270 top
Q7#3  TPH3R704PL  [TPHR8504PL,L1Q]  16.96 74.63 90 top
Q7#4  TPH3R704PL  [TPHR8504PL,L1Q]  100.54 42.87 270 top
Q7#5  TPH3R704PL  [TPHR8504PL,L1Q]  121.96 74.63 90 top
Q7#6  TPH3R704PL  [TPHR8504PL,L1Q]  48.04 42.87 270 top
Q8  TPH3R704PL  [TPHR8504PL,L1Q]  94.57 44.82 90 top
Q8#2  TPH3R704PL  [TPHR8504PL,L1Q]  147.07 44.82 90 top
Q8#3  TPH3R704PL  [TPHR8504PL,L1Q]  127.93 72.68 270 top
Q8#4  TPH3R704PL  [TPHR8504PL,L1Q]  75.43 72.68 270 top
Q8#5  TPH3R704PL  [TPHR8504PL,L1Q]  42.07 44.82 90 top
Q8#6  TPH3R704PL  [TPHR8504PL,L1Q]  22.93 72.68 270 top
Q9  TPH3R704PL  [TPHR8504PL,L1Q]  30.75 44.86 270 top
Q9#2  TPH3R704PL  [TPHR8504PL,L1Q]  83.25 44.86 270 top
Q9#3  TPH3R704PL  [TPHR8504PL,L1Q]  86.75 72.64 90 top
Q9#4  TPH3R704PL  [TPHR8504PL,L1Q]  34.25 72.64 90 top
Q9#5  TPH3R704PL  [TPHR8504PL,L1Q]  139.25 72.64 90 top
Q9#6  TPH3R704PL  [TPHR8504PL,L1Q]  135.75 44.86 270 top
Q10  TPH3R704PL  [TPHR8504PL,L1Q]  81.14 72.68 270 top
Q10#2  TPH3R704PL  [TPHR8504PL,L1Q]  141.36 44.82 90 top
Q10#3  TPH3R704PL  [TPHR8504PL,L1Q]  28.64 72.68 270 top
Q10#4  TPH3R704PL  [TPHR8504PL,L1Q]  36.36 44.82 90 top
Q10#5  TPH3R704PL  [TPHR8504PL,L1Q]  133.64 72.68 270 top
Q10#6  TPH3R704PL  [TPHR8504PL,L1Q]  88.86 44.82 90 top
Q11  TPH3R704PL  [TPHR8504PL,L1Q]  144.82 72.64 90 top
Q11#2  TPH3R704PL  [TPHR8504PL,L1Q]  130.18 44.86 270 top
Q11#3  TPH3R704PL  [TPHR8504PL,L1Q]  77.68 44.86 270 top
Q11#4  TPH3R704PL  [TPHR8504PL,L1Q]  39.82 72.64 90 top
Q11#5  TPH3R704PL  [TPHR8504PL,L1Q]  25.18 44.86 270 top
Q11#6  TPH3R704PL  [TPHR8504PL,L1Q]  92.32 72.64 90 top
Q12  TPH3R704PL  [TPHR8504PL,L1Q]  71.84 43.25 90 top
Q12#2  TPH3R704PL  [TPHR8504PL,L1Q]  124.34 43.25 90 top
Q12#3  TPH3R704PL  [TPHR8504PL,L1Q]  19.34 43.25 90 top
Q12#4  TPH3R704PL  [TPHR8504PL,L1Q]  150.66 74.25 270 top
Q12#5  TPH3R704PL  [TPHR8504PL,L1Q]  45.66 74.25 270 top
Q12#6  TPH3R704PL  [TPHR8504PL,L1Q]  98.16 74.25 270 top
R1  10K  [R_0402_1005Metric_Pad0.72x0.64mm_HandSolder]  70.82 28.61 0 top
R1#2  10K  [R_0402_1005Metric_Pad0.72x0.64mm_HandSolder]  46.68 88.89 180 top
R1#3  10K  [R_0402_1005Metric_Pad0.72x0.64mm_HandSolder]  99.18 88.89 180 top
R1#4  10K  [R_0402_1005Metric_Pad0.72x0.64mm_HandSolder]  18.32 28.61 0 top
R1#5  10K  [R_0402_1005Metric_Pad0.72x0.64mm_HandSolder]  151.68 88.89 180 top
R1#6  10K  [R_0402_1005Metric_Pad0.72x0.64mm_HandSolder]  123.32 28.61 0 top
R2  0  [R_0402_1005Metric_Pad0.72x0.64mm_HandSolder]  151.68 96.51 0 top
R2#2  0  [R_0402_1005Metric_Pad0.72x0.64mm_HandSolder]  46.68 96.51 0 top
R2#3  0  [R_0402_1005Metric_Pad0.72x0.64mm_HandSolder]  123.32 20.99 180 top
R2#4  0  [R_0402_1005Metric_Pad0.72x0.64mm_HandSolder]  70.82 20.99 180 top
R2#5  0  [R_0402_1005Metric_Pad0.72x0.64mm_HandSolder]  99.18 96.51 0 top
R2#6  0  [R_0402_1005Metric_Pad0.72x0.64mm_HandSolder]  18.32 20.99 180 top
R3  10k  [R_0402_1005Metric_Pad0.72x0.64mm_HandSolder]  91.81 101.47 180 top
R3#2  10k  [R_0402_1005Metric_Pad0.72x0.64mm_HandSolder]  144.31 101.47 180 top
R3#3  10k  [R_0402_1005Metric_Pad0.72x0.64mm_HandSolder]  78.19 16.03 0 top
R3#4  10k  [R_0402_1005Metric_Pad0.72x0.64mm_HandSolder]  39.31 101.47 180 top
R3#5  10k  [R_0402_1005Metric_Pad0.72x0.64mm_HandSolder]  25.69 16.03 0 top
R3#6  10k  [R_0402_1005Metric_Pad0.72x0.64mm_HandSolder]  130.69 16.03 0 top
R5  10k  [R_0402_1005Metric_Pad0.72x0.64mm_HandSolder]  90.38 16.03 0 top
R5#2  10k  [R_0402_1005Metric_Pad0.72x0.64mm_HandSolder]  37.88 16.03 0 top
R5#3  10k  [R_0402_1005Metric_Pad0.72x0.64mm_HandSolder]  27.12 101.47 180 top
R5#4  10k  [R_0402_1005Metric_Pad0.72x0.64mm_HandSolder]  79.62 101.47 180 top
R5#5  10k  [R_0402_1005Metric_Pad0.72x0.64mm_HandSolder]  142.88 16.03 0 top
R5#6  10k  [R_0402_1005Metric_Pad0.72x0.64mm_HandSolder]  132.12 101.47 180 top
R6  10k  [R_0402_1005Metric_Pad0.72x0.64mm_HandSolder]  86.82 16.03 180 top
R6#2  10k  [R_0402_1005Metric_Pad0.72x0.64mm_HandSolder]  30.68 101.47 0 top
R6#3  10k  [R_0402_1005Metric_Pad0.72x0.64mm_HandSolder]  139.32 16.03 180 top
R6#4  10k  [R_0402_1005Metric_Pad0.72x0.64mm_HandSolder]  34.32 16.03 180 top
R6#5  10k  [R_0402_1005Metric_Pad0.72x0.64mm_HandSolder]  135.68 101.47 0 top
R6#6  10k  [R_0402_1005Metric_Pad0.72x0.64mm_HandSolder]  83.18 101.47 0 top
R8  120  [R_0402_1005Metric_Pad0.72x0.64mm_HandSolder]  99.18 86.1 90 top
R8#2  120  [R_0402_1005Metric_Pad0.72x0.64mm_HandSolder]  18.32 31.4 270 top
R8#3  120  [R_0402_1005Metric_Pad0.72x0.64mm_HandSolder]  46.68 86.1 90 top
R8#4  120  [R_0402_1005Metric_Pad0.72x0.64mm_HandSolder]  123.32 31.4 270 top
R8#5  120  [R_0402_1005Metric_Pad0.72x0.64mm_HandSolder]  151.68 86.1 90 top
R8#6  120  [R_0402_1005Metric_Pad0.72x0.64mm_HandSolder]  70.82 31.4 270 top
R9  510  [R_0402_1005Metric_Pad0.72x0.64mm_HandSolder]  87.49 86.35 0 top
R9#2  510  [R_0402_1005Metric_Pad0.72x0.64mm_HandSolder]  34.99 86.35 0 top
R9#3  510  [R_0402_1005Metric_Pad0.72x0.64mm_HandSolder]  82.51 31.15 180 top
R9#4  510  [R_0402_1005Metric_Pad0.72x0.64mm_HandSolder]  135.01 31.15 180 top
R9#5  510  [R_0402_1005Metric_Pad0.72x0.64mm_HandSolder]  30.01 31.15 180 top
R9#6  510  [R_0402_1005Metric_Pad0.72x0.64mm_HandSolder]  139.99 86.35 0 top
R10  10k  [R_0402_1005Metric_Pad0.72x0.64mm_HandSolder]  97.02 101.47 180 top
R10#2  10k  [R_0402_1005Metric_Pad0.72x0.64mm_HandSolder]  44.52 101.47 180 top
R10#3  10k  [R_0402_1005Metric_Pad0.72x0.64mm_HandSolder]  149.52 101.47 180 top
R10#4  10k  [R_0402_1005Metric_Pad0.72x0.64mm_HandSolder]  125.48 16.03 0 top
R10#5  10k  [R_0402_1005Metric_Pad0.72x0.64mm_HandSolder]  72.98 16.03 0 top
R10#6  10k  [R_0402_1005Metric_Pad0.72x0.64mm_HandSolder]  20.48 16.03 0 top
R11  510  [R_0402_1005Metric_Pad0.72x0.64mm_HandSolder]  87.49 85.08 0 top
R11#2  510  [R_0402_1005Metric_Pad0.72x0.64mm_HandSolder]  82.51 32.42 180 top
R11#3  510  [R_0402_1005Metric_Pad0.72x0.64mm_HandSolder]  30.01 32.42 180 top
R11#4  510  [R_0402_1005Metric_Pad0.72x0.64mm_HandSolder]  135.01 32.42 180 top
R11#5  510  [R_0402_1005Metric_Pad0.72x0.64mm_HandSolder]  139.99 85.08 0 top
R11#6  510  [R_0402_1005Metric_Pad0.72x0.64mm_HandSolder]  34.99 85.08 0 top
R13  54.9k  [R_0402_1005Metric_Pad0.72x0.64mm_HandSolder]  100.55 32.16 180 top
R13#2  54.9k  [R_0402_1005Metric_Pad0.72x0.64mm_HandSolder]  69.45 85.34 0 top
R13#3  54.9k  [R_0402_1005Metric_Pad0.72x0.64mm_HandSolder]  153.05 32.16 180 top
R13#4  54.9k  [R_0402_1005Metric_Pad0.72x0.64mm_HandSolder]  48.05 32.16 180 top
R13#5  54.9k  [R_0402_1005Metric_Pad0.72x0.64mm_HandSolder]  16.95 85.34 0 top
R13#6  54.9k  [R_0402_1005Metric_Pad0.72x0.64mm_HandSolder]  121.95 85.34 0 top
R14  10k  [R_0402_1005Metric_Pad0.72x0.64mm_HandSolder]  121.95 84.19 180 top
R14#2  10k  [R_0402_1005Metric_Pad0.72x0.64mm_HandSolder]  100.55 33.31 0 top
R14#3  10k  [R_0402_1005Metric_Pad0.72x0.64mm_HandSolder]  153.05 33.31 0 top
R14#4  10k  [R_0402_1005Metric_Pad0.72x0.64mm_HandSolder]  16.95 84.19 180 top
R14#5  10k  [R_0402_1005Metric_Pad0.72x0.64mm_HandSolder]  69.45 84.19 180 top
R14#6  10k  [R_0402_1005Metric_Pad0.72x0.64mm_HandSolder]  48.05 33.31 0 top
R16  10k  [R_0402_1005Metric_Pad0.72x0.64mm_HandSolder]  139.71 24.16 90 top
R16#2  10k  [R_0402_1005Metric_Pad0.72x0.64mm_HandSolder]  87.21 24.16 90 top
R16#3  10k  [R_0402_1005Metric_Pad0.72x0.64mm_HandSolder]  30.3 93.34 270 top
